# Altium PCB tc377_pcb_rev1.PcbDoc (part 1 of 2)
Units mm, origin at the board's own origin, x right, y up, seen from the top; angles counter-clockwise.
Board outline 133.94 x 51.18 mm, 2 copper layers (Top Layer, Bottom Layer); 100 components, 89 nets, 462 pads, 300 vias.
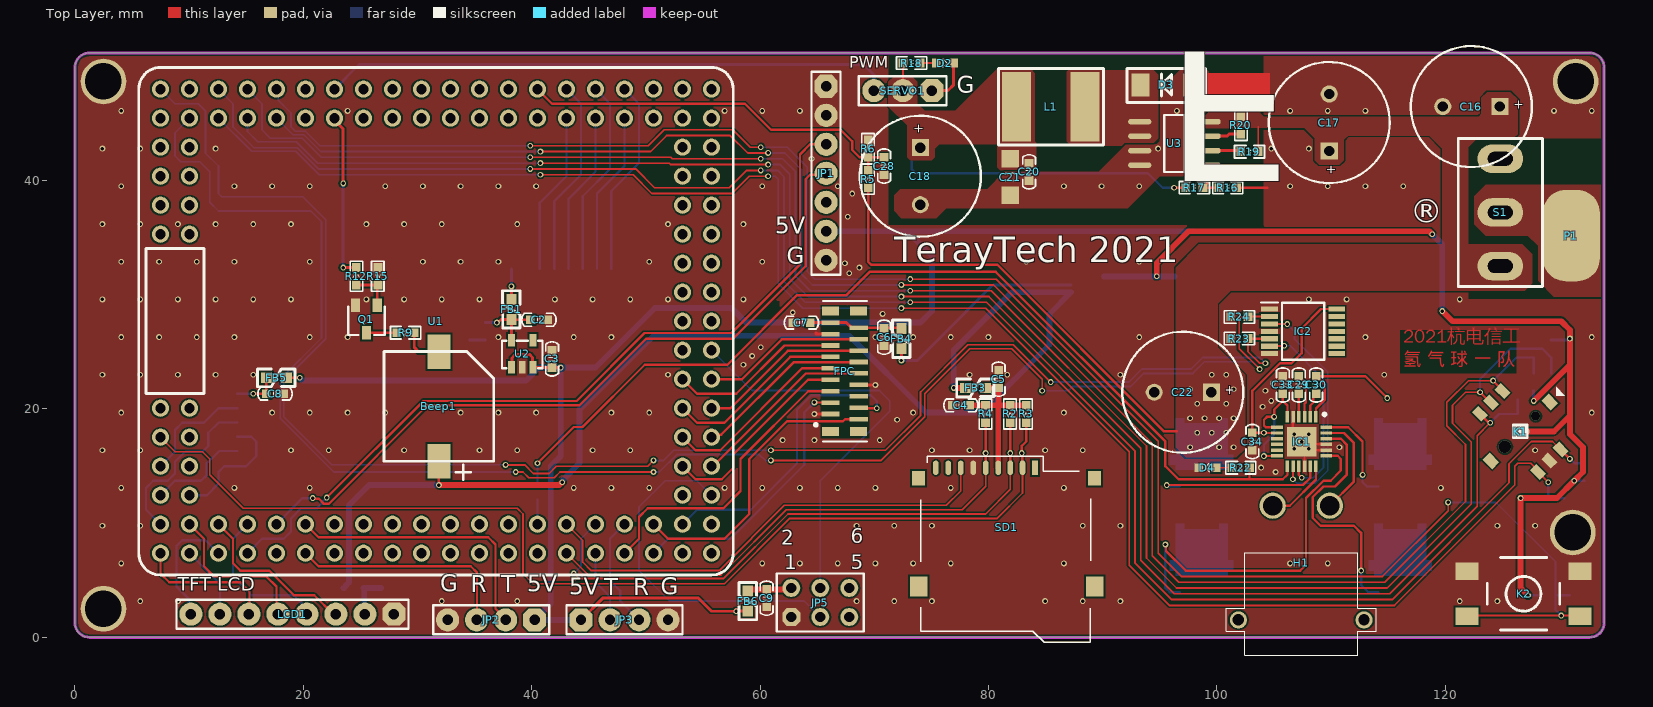
[diagram p0: Top Layer view]
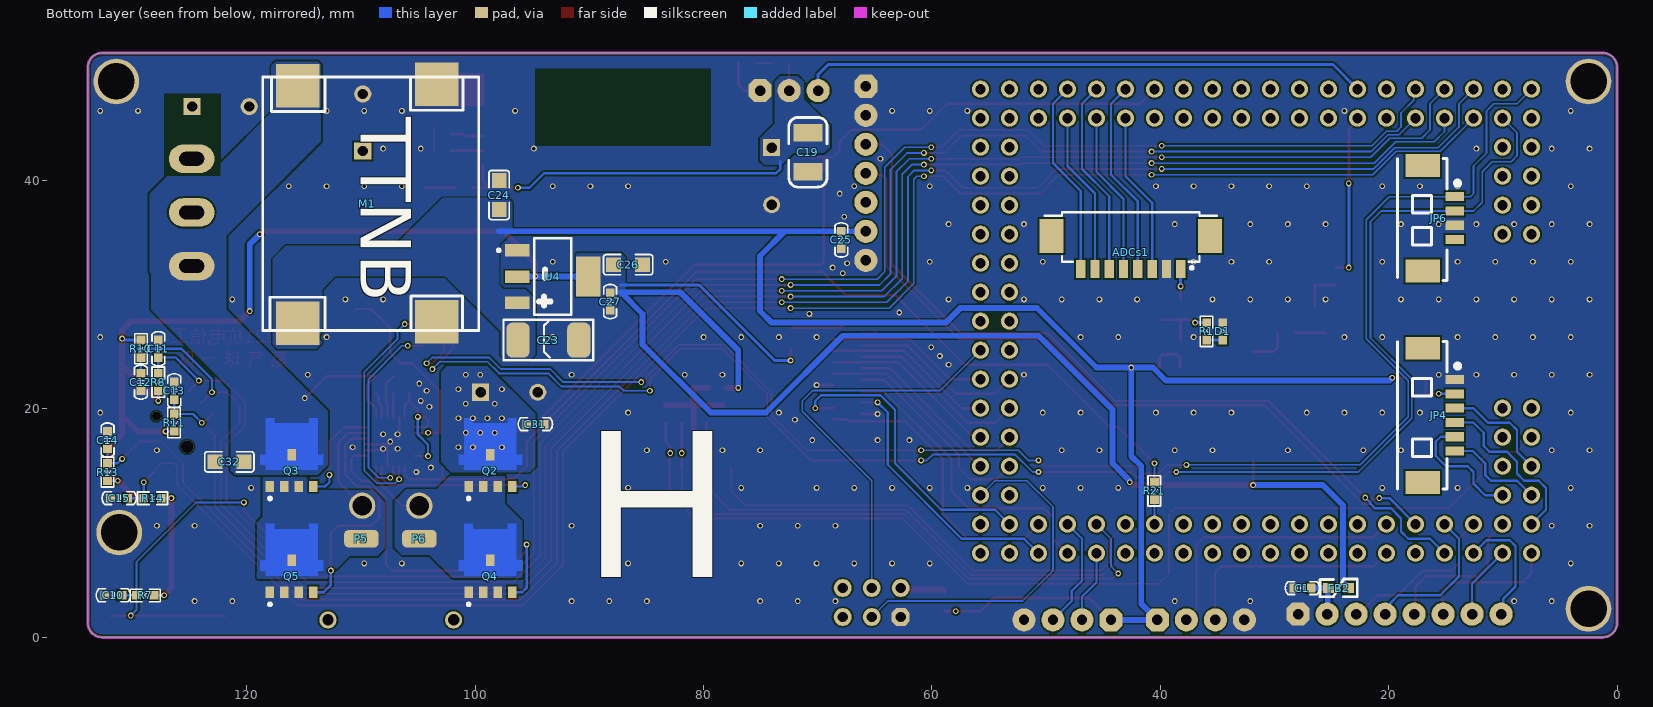
[diagram p1: Bottom Layer view, seen from below]
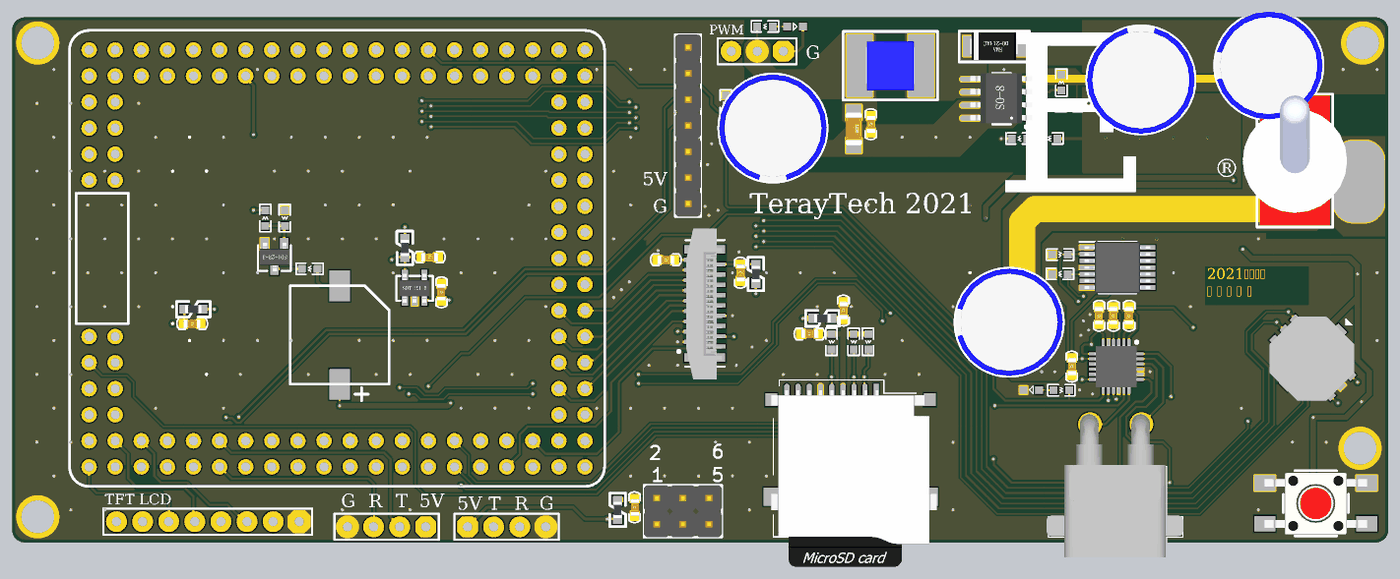
[diagram p3: 3D render of the assembled board from above, using the file's embedded part models]
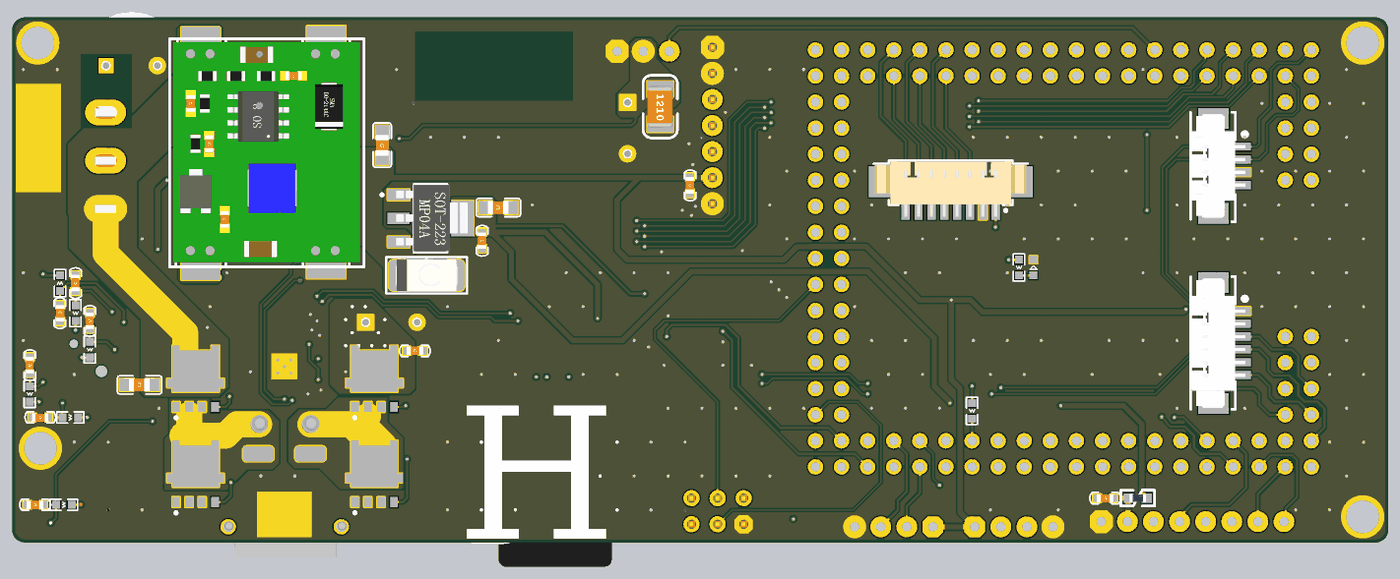
[diagram p4: 3D render of the assembled board from below, using the file's embedded part models]

## Layer stack, top to bottom
Top Solder: solder mask 0.0102, Solder Resist, Dk 3.5
Top Layer: signal copper 0.0356
Dielectric 1: dielectric 0.32, FR-4, Dk 4.8
Bottom Layer: signal copper 0.0356
Bottom Solder: solder mask 0.0102, Solder Resist, Dk 3.5

## Board outline
0,1.27 ccw(c1.27,1.27) 1.27,0 132.667,0 ccw(c132.667,1.27) 133.937,1.27 133.937,49.911 ccw(c132.667,49.911) 132.667,51.181 1.27,51.181 ccw(c1.27,49.911) 0,49.911 0,48.133 0,2.413

## Design rules (kind name [scope] priority, off if disabled: settings)
Clearance [All] p1: gap=0.152 ignorepadtopadclearanceinfootprint=FALSE except(0: Arc-Hole Track-Hole SMDPad-Hole THPad-Hole Via-Hole Fill-Hole Poly-Hole Region-Hole Text-Hole; 0.254: Arc-Text Track-Text SMDPad-Text THPad-Text Via-Text Fill-Text Poly-Text Region-Text Text-Text)
ComponentClearance [All] p1 off: gap=0.254 collisioncheckmode=3 verticalgap=0.254 showdistances=FALSE
Height [All] p1: minheight=0 maxheight=50.8 prefheight=12.7
PlaneConnect [All] p1: planeconnectstyle=Direct reliefexpansion=0.508 reliefentries=4 reliefconductorwidth=0.254 reliefairgap=0.254
PolygonConnect [All] p1: connectstyle=Direct reliefconductorwidth=0.254 reliefentries=4 polygonreliefangle="90 Angle" airgapwidth=0.254
RoutingVias [All] p1: holewidth=0.305 width=0.508 viastyle="Through Hole" minholewidth=0.254 minwidth=0.457 maxholewidth=0.711 maxwidth=1.27
SolderMaskExpansion [All] p1: expansion=0.102 istentingtop=FALSE
Width [All] p1: maxlimit=0.762 minlimit=0.152 preferedwidth=0.254 minimp=50.000000 maximp=50.000000 favimp=50.000000
27 further rules are at their usual default settings.

## Classes and differential pairs
component class DRIVER: C29 C30 C31 C32 C33 C34 D4 H1 IC1 IC2 P5 P6 Q2 Q3 Q4 Q5 R22 R23 R24
component class POWER: C16 C17 C18 C19 C20 C21 C22 C23 C24 C25 C26 C27 D2 D3 L1 M1 P1 R16 R17 R18 R19 R20 S1 SERVO1 U3 U4
component class LOGIC: ADCs1 Beep1 C1 C2 C3 C4 C5 C6 C7 C8 C9 C10 C11 C12 C13 C14 C15 C28 D1 FB1 FB2 FB3 FB4 FB5 FB6 FPC JP1 JP2 JP3 JP4 JP5 JP6 K1 K2 LCD1 Q1 R1 R2 R3 R4 R5 R6 R7 R8 R9 R10 R11 R12 R13 R14 R15 R21 SD1 U1 U2

## Components (designator, comment, footprint, x,y, rotation, side; value= is the part's Value field where it differs from the comment)
ADCs1 "HEADER-8PIN" HEADER_8P_1.25_RT 42.595,35.058 r0 bottom
Beep1 "Buzzer" BUZZER_9.6*9.6*5mm 31.877,20.219 r270 top
C1 "0.1uF" 0603_C 27.559,4.318 r0 bottom value=104
C2 "0.1uF" 0603_C 40.64,27.813 r180 top value=104
C3 "0.1uF" 0603_C 41.783,24.384 r90 top value=104
C4 "0.1uF" 0603_C 77.597,20.32 r0 top value=104
C5 "0.1uF" 0603_C 80.899,22.606 r270 top value=104
C6 "1uF" 0603_C 70.866,26.289 r270 top value=104
C7 "0.1uF" 0603_C 63.627,27.559 r180 top value=104
C8 "0.1uF" 0603_C 17.526,21.336 r180 top value=104
C9 "0.1uF" 0603_C 60.579,3.429 r270 top value=104
C10 "0.1uF" 0603_C 131.699,3.683 r0 bottom value=104
C11 "0.1uF" 0603_C 127.762,25.273 r90 bottom value=104
C12 "0.1uF" 0603_C 129.286,22.352 r270 bottom value=104
C13 "0.1uF" 0603_C 126.365,21.59 r90 bottom value=104
C14 "0.1uF" 0603_C 132.207,17.272 r90 bottom value=104
C15 "0.1uF" 0603_C 131.191,12.192 r0 bottom value=104
C16 "1000uF 电解" CAP_1000x2000 122.301,46.482 r180 top
C17 "1000uF" CAP_1000x2000 109.855,45.085 r90 top
C18 "1210, 220uF, 25V" CAP_1000x2000 74.041,40.386 r270 top locked value=104
C19 "1210, 220uF, 25V" C1210 71.018,42.621 r270 bottom value=104
C20 "0.1uF" 0603_C 83.566,40.767 r270 top value=104
C21 "1nF" C1206 81.915,41.91 r270 top value=104
C22 "1000uF" CAP_1000x2000 97.028,21.463 r180 top locked
C23 "1uF" CAPC6032C 91.948,26.035 r180 bottom value=104
C24 "1uF" 0805_c 97.917,39.878 r270 bottom value=104
C25 "0.1uF" 0603_C 67.945,34.798 r90 bottom value=104
C26 "1uF" 0805_c 85.471,32.639 r0 bottom value=104
C27 "0.1uF" 0603_C 88.189,29.407 r90 bottom value=104
C28 "0.1uF" 0603_C 70.866,41.275 r90 top value=104
C29 "100nF" 0603_C 107.188,22.098 r90 top value=104
C30 "1uF" 0603_C 108.712,22.098 r90 top value=104
C31 "0.1uF" 0603_C 94.742,18.669 r180 bottom value=104
C32 "10uF" 0805_c 120.396,15.367 r0 bottom value=104
C33 "1uF" 0603_C 105.791,22.098 r90 top value=104
C34 "1uF" 0603_C 103.124,17.145 r270 top value=104
D1 "LED" 0603_LED 34.544,26.772 r90 bottom
D2 "LED" 0603_LED 76.175,50.292 r0 top
D3 "SS" DO-214AC( 97.663,48.387 r180 top
D4 "LED" 0603_LED 99.212,14.859 r180 top
FB1 "120R 100MHZ" FB0603 38.227,28.715 r270 top
FB2 "120R 100MHZ" FB0603 24.397,4.318 r0 bottom
FB3 "FB" FB0603 78.867,21.844 r0 top
FB4 "FB" FB0603 72.39,26.162 r270 top
FB5 "FB" FB0603 17.64,22.733 r0 top
FB6 "FB" FB0603 58.928,3.175 r90 top
FPC "fpc-18" FPC_18_VER 67.437,22.86 r270 top
H1 "XT" XT30PW-M 107.403,11.524 r180 top locked
IC1 "DRV8701ERGET" QFN50P400X400X80-25N 107.442,17.145 r270 top
IC2 "CD74HC125QPWRQ1" SOP65P640X120-14N 107.569,26.797 r0 top
JP1 "header" header7 65.786,48.26 r270 top
JP2 "DEBUG" header4 40.259,1.524 r180 top
JP3 "IMAGE" header4 44.323,1.524 r0 top
JP4 "GYRO" "MX 1.25-WS-6P" 17.018,19.431 r270 bottom
JP5 "header" header2X3 62.738,1.778 r0 top
JP6 "MOTOR" "MX 1.25-WS-4P" 17.018,36.703 r270 bottom
K1 "TSW_5" TSW-10 126.583,18.018 r0 top locked
K2 "KEY" 贴片复位开关 126.873,3.81 r180 top locked
L1 "33uH" "L 5x5" 85.471,46.482 r270 top
LCD1 "TFT LCD 1.9" header8 27.94,2.032 r180 top
M1 "TTPM" TTPM_1 109.474,37.973 r270 bottom
P1 "PAD" PAD_BIG 131.064,35.179 r0 top
P5 "PAD" PAD 109.982,8.636 r180 bottom
P6 "PAD" PAD 104.902,8.636 r180 bottom
Q1 "NPN2" SOT-23-3 27.734,26.797 r180 top
Q2 "AON-MOS" so-8 98.679,16.003 r90 bottom
Q3 "AON-MOS" so-8 116.078,16.003 r90 bottom
Q4 "AON-MOS" so-8 98.679,6.731 r90 bottom
Q5 "AON-MOS" so-8 116.078,6.731 r90 bottom
R1 "330" 0603_R 35.941,26.797 r90 bottom value=1K
R2 "10K" 0603_R 81.915,19.558 r90 top value=1K
R3 "10K" 0603_R 83.312,19.558 r90 top value=1K
R4 "10K" 0603_R 79.756,19.558 r90 top value=1K
R5 "4K R0603" 0603_R 69.469,40.132 r90 top value=1K
R6 "1K R0603" 0603_R 69.469,42.799 r90 top value=1K
R7 "10K" 0603_R 128.905,3.683 r0 bottom value=1K
R8 "10K" 0603_R 127.762,22.352 r90 bottom value=1K
R9 "50R" 0603_R 28.956,26.67 r0 top value=1K
R10 "10K" 0603_R 129.286,25.273 r270 bottom value=1K
R11 "10K" 0603_R 126.365,18.796 r90 bottom value=1K
R12 "1K" 0603_R 24.638,31.623 r270 top
R13 "10K" 0603_R 132.207,14.478 r90 bottom value=1K
R14 "10K" 0603_R 128.27,12.192 r0 bottom value=1K
R15 "20K" 0603_R 26.543,31.623 r90 top value=1K
R16 "1K, 1%" 0603_R 100.965,39.37 r0 top value=1K
R17 "1K R0603" 0603_R 98.044,39.37 r0 top value=1K
R18 "1K R0603" 0603_R 73.279,50.292 r0 top value=1K
R19 "1K" 0603_R 102.87,42.545 r180 top
R20 "2.7K" 0603_R 102.108,44.831 r270 top value=1K
R21 "0 R0603" 0603_R 40.513,12.827 r90 bottom value=1K
R22 "1K R0603" 0603_R 102.108,14.859 r180 top value=1K
R23 "10K R0603" 0603_R 101.981,26.162 r0 top value=1K
R24 "10K R0603" 0603_R 101.981,28.067 r180 top value=1K
S1 "开关" 拨动开关 124.841,37.212 r90 top
SD1 "microSD" microSD_CARD 80.899,9.525 r0 top
SERVO1 "header" header3 75.057,47.879 r180 top
U1 "TC377_CoreBoard" TC377_CoreBoard 55.753,48.006 r270 top locked
U2 "RF LDO" SOT-23-5 39.153,24.908 r0 top
U3 "AS1015 SERVO PWR" SOIC-8 96.393,43.307 r90 top
U4 "LT1117" SOT-223 93.091,31.877 r270 bottom

## Footprints (in the part's own frame and the unit in brackets; to place one, negate y for a bottom-side part, rotate by r counter-clockwise, add the part's x,y. Pads: shape width x height; smd on the part's side, far side on the other; paste and mask are expansions set on the pad)
0603_C [mil] "Capacitor"
  rect 30x30 smd: 1(-30,0) 2(30,0)
  silkscreen extent -59,-22 59,22, body extent -51,-18 52,21, height 35
0603_LED [mil]
  rect 30x30 smd: 1(-29,0) 2(31,0)
  silkscreen extent -6,-15 9,14, body extent -31,-16 31,16, height 24
0603_R [mil]
  rect 30x30 smd: 1(-30,0) 2(30,0)
  silkscreen extent -52,-21 52,22, body extent -34,-19 34,19, height 39
0805_c [mil]
  rect 52x50 smd: 1(-5,0) 2(95,0)
  silkscreen extent -40,-35 130,35, body extent -13,-28 105,28, height 37
BUZZER_9.6*9.6*5mm [mm]
  rect 3x2 smd: 1(4.8,0) 2(-4.8,0)
  silkscreen extent -4.8,-4.8 6.41,4.8, body extent -4.97,-4.8 5.03,4.8, height 5
C1206 [mil] "3216/A型"
  rect 60x60 smd: 1(0,0) 2(126,0)
  silkscreen extent 50,-17 75,18, body extent 0,-31 126,32, height 39
C1210 [mil]
  rect 60x100 smd: 1(-62,6) 2(73,6)
  silkscreen extent -115,-60 126,72, body extent -73,-44 85,54, height 67
CAP_1000x2000 [mm] "Panasonic"
  rect 1.5x1.5 hole 0.9: 1(-2.5,0)
  round 1.5 hole 0.9: 2(2.5,0)
  silkscreen extent -5.3,-5.3 5.3,5.3, body extent -5.21,-5.24 5.24,5.24, height 22.01
CAPC6032C [mil]
  rrect50% 80x120 smd: 1(-170,0) 2(40,0)
  silkscreen extent -220,-70 90,70, body extent -183,-63 53,63, height 102
DO-214AC( [mil] "DO-214AC(2010)"
  rect 63x78.74 smd: 1(-8,0) 2(170.56,0)
  silkscreen extent -53,-57 217,61, body extent -8,-52 174,54, height 94
FB0603 [mil] "1/10W"
  rect 38x35 smd: 1(-34.5,0) 2(34.5,0)
  silkscreen extent -64,-31 64,30, body extent -31,-16 32,16, height 31
FPC_18_VER [mm] "FFC & FPC连接器 .5MM FFC/FPC CONN 18CKT 52559-1853 Molex"
  rect 0.8x1.5 smd: 0(-5.715,-1.27) 0(-5.715,1.2) 0(4.826,-1.27) 0(4.826,1.2)
  rect 0.4x1.6 smd: 1(3.75,1.2) 2(3.302,-1.27) 3(2.75,1.2) 4(2.302,-1.27) 5(1.75,1.2) 6(1.302,-1.27) 7(0.75,1.2) 8(0.302,-1.27) 9(-0.25,1.2) 10(-0.698,-1.27) 11(-1.25,1.2) 12(-1.698,-1.27) 13(-2.25,1.2) 14(-2.698,-1.27) 15(-3.25,1.2) 16(-3.698,-1.27) 17(-4.25,1.2) 18(-4.698,-1.27)
  silkscreen extent -6.6,-2.67 5.71,1.91, body extent -7.73,-1.85 6.97,1.65, height 5.3
header2X3 [mil]
  oct 62x62 hole 35: 1(0,0)
  round 62 hole 35: 2(0,100) 3(100,0) 4(100,100) 5(200,0) 6(200,100)
  silkscreen extent -50,-50 250,150, body extent -50,-50 250,150, height 398
header3 [mil]
  oct 80x80 hole 36: 1(0,0)
  round 80 hole 36: 2(100,0) 3(200,0)
  silkscreen extent -50,-50 252,50
header4 [mil]
  oct 80x80 hole 36: 1(0,0)
  round 80 hole 36: 2(100,0) 3(200,0) 4(300,0)
  silkscreen extent -50,-50 350,50
header7 [mil]
  oct 80x80 hole 36: 1(0,0)
  round 80 hole 36: 2(100,0) 3(200,0) 4(300,0) 5(400,0) 6(500,0) 7(600,0)
  silkscreen extent -50,-50 650,50, body extent -50,-50 650,50, height 398
header8 [mil]
  oct 80x80 hole 36 unplated: 1(0,0)
  round 80 hole 36 unplated: 2(100,0) 3(200,0) 4(300,0) 5(400,0) 6(500,0) 7(600,0) 8(700,0)
  silkscreen extent -50,-50 750,50
HEADER_8P_1.25_RT [mm]
  rect 0.81x1.6 smd: 1(-4.375,2.8) 2(-3.125,2.8) 3(-1.875,2.8) 4(-0.625,2.8) 5(0.625,2.8) 6(1.875,2.8) 7(3.125,2.8) 8(4.375,2.8)
  rect 2.1x3 smd: MP1(-6.925,-0.1) MP2(6.925,-0.1)
  silkscreen extent -7.52,-2.17 7.52,2.82, body extent -7.38,-2.1 7.37,3.3, height 3.4
"L 5x5" [mm]
  rect 6.096x2.54 smd: 1(0,3) 2(0,-3)
  silkscreen extent -3.33,-4.6 3.35,4.6, body extent -2.39,-2.4 2.41,2.4, height 2.8
microSD_CARD [mil]
  rect 45.42x50 smd: 0(-276,173)
  rect 60x70 smd: 0(-275.5,-199.5)
  rect 45x50 smd: 0(331,173)
  rect 60.42x70 smd: 0(331.5,-199.5)
  rect 19.68x49.42 smd: 1(125.5,209.5)
  oval 19.68x49.42 smd: 2(82.5,209.5) 3(40.5,209.5) 4(-1.5,209.5) 5(-44.5,209.5) 6(-87.5,209.5) 7(-130.5,209.5) 8(-173.5,209.5) 9(-216.5,209.5)
  silkscreen extent -269,-392 318,248, body extent -276,-468 357,209, height 117
"MX 1.25-WS-4P" [mm] "长：10.15mm，宽：4.2mm，高：3.4mm"
  rect 2x3 smd: 0(-4.632,0) 0(4.632,0)
  rect 0.8x1.6 smd: 1(-1.889,2.811) 2(-0.639,2.811) 3(0.611,2.811) 4(1.861,2.811)
  silkscreen extent -5.23,-2.23 5.45,3.25, body extent -5.07,-2.1 5.08,3.09, height 3.4
"MX 1.25-WS-6P" [mm] "长：12.65mm，宽：4.2mm，高：3.4mm"
  rect 2x3 smd: 0(-5.882,0) 0(5.882,0)
  rect 0.8x1.6 smd: 1(-3.139,2.811) 2(-1.889,2.811) 3(-0.639,2.811) 4(0.611,2.811) 5(1.861,2.811) 6(3.111,2.811)
  silkscreen extent -6.48,-2.23 6.45,3.25, body extent -6.32,-2.1 6.33,3.09, height 3.4
PAD [mm]
  rrect50% 3x1.524 smd: 1(0,0)
PAD_BIG [mm]
  rrect80% 5x8 smd: 1(0,0)
QFN50P400X400X80-25N [mil]
  rect 40x11.81 smd: 1(-85,49.21) 2(-85,29.53) 3(-85,9.84) 4(-85,-9.84) 5(-85,-29.53) 6(-85,-49.21) 13(85,-49.21) 14(85,-29.53) 15(85,-9.84) 16(85,9.84) 17(85,29.53) 18(85,49.21)
  rect 11.81x40 smd: 7(-49.21,-85) 8(-29.53,-85) 9(-9.84,-85) 10(9.84,-85) 11(29.53,-85) 12(49.21,-85) 19(49.21,85) 20(29.53,85) 21(9.84,85) 22(-9.84,85) 23(-29.53,85) 24(-49.21,85)
  rect 102x102 smd: 25(0,0)
  silkscreen extent -98,74 -89,84, body extent -81,-81 81,81, height 31
so-8 [mm] "MOS"
  rect 1x0.75 smd: 1(-2.795,1.905) 2(-2.795,0.635) 3(-2.795,-0.635) 4(-2.795,-1.905)
  rect 1x0.75 smd paste+0 mask+0: 5(0,0)
  Top Layer region: -0.905,-2.775 -0.905,-2.28 -1.33,-2.28 -1.33,2.28 -0.905,2.28 -0.905,2.775 0,2.775 0,2.28 3.2,2.28 3.2,1.53 2.725,1.53 2.725,-1.53 3.2,-1.53 3.2,-2.28 0,-2.28 0,-2.775
  silkscreen extent -3.97,1.78 -3.72,2.03, body extent -2.95,-2.45 2.95,2.45, height 1.1
SOIC-8 [mil]
  oval 20x80 smd: 1(-77.09,-115.71) 2(-27.09,-115.71) 3(22.91,-115.71) 4(72.91,-115.71) 5(72.91,123.27) 6(22.91,123.27) 7(-27.09,123.27) 8(-77.09,123.27)
  silkscreen extent -115,-96 96,39, body extent -96,-113 96,123, height 67
SOP65P640X120-14N [mm]
  rect 1.475x0.45 smd: 1(-2.938,1.95) 2(-2.938,1.3) 3(-2.938,0.65) 4(-2.938,0) 5(-2.938,-0.65) 6(-2.938,-1.3) 7(-2.938,-1.95) 8(2.938,-1.95) 9(2.938,-1.3) 10(2.938,-0.65) 11(2.938,0) 12(2.938,0.65) 13(2.938,1.3) 14(2.938,1.95)
  silkscreen extent -3.67,-2.5 1.85,2.52, body extent -3.2,-2.5 3.2,2.5, height 1.2
SOT-23-3 [mm]
  rect 0.8x1.2 smd: 1(1.257,-2.273) 2(3.157,-2.273) 3(2.207,0.127)
  silkscreen extent 0.61,-2.17 3.81,0.33, body extent 0.71,-2.42 3.61,0.38
SOT-23-5 [mm]
  rect 0.6x1.1 smd: 1(-0.926,-1.273) 2(0.024,-1.273) 3(0.974,-1.273) 4(0.974,1.127) 5(-0.926,1.127)
  silkscreen extent -1.75,-1.34 1.8,1.07, body extent -1.45,-1.53 1.45,1.27, height 1.2
SOT-223 [mm] "ASM1117系列"
  rect 1.1x2.15 smd: 1(-2.012,-3.227) 2(0.288,-3.227) 3(2.588,-3.227)
  rect 3.5x2.15 smd: 2(0.288,2.973)
  silkscreen extent -3.06,-4.98 3.64,1.5, body extent -3,-3.48 3.5,3.48, height 1.7
TC377_CoreBoard [mm] "逐飞科技TC377核心板"
  round 1.5 hole 0.9: 1(0,0) 2(2.54,0) 3(0,-2.54) 4(2.54,-2.54) 5(0,-5.08) 6(2.54,-5.08) 7(0,-7.62) 8(2.54,-7.62) 9(0,-10.16) 10(2.54,-10.16) 11(0,-12.7) 12(2.54,-12.7) 13(0,-15.24) 14(2.54,-15.24) 15(0,-17.78) 16(2.54,-17.78) 17(0,-20.32) 18(2.54,-20.32) 19(0,-22.86) 20(2.54,-22.86) 21(0,-25.4) 22(2.54,-25.4) 23(0,-27.94) 24(2.54,-27.94) 25(0,-30.48) 26(2.54,-30.48) 27(0,-33.02) 28(2.54,-33.02) 29(0,-35.56) 30(2.54,-35.56) 31(0,-38.1) 32(2.54,-38.1) 33(0,-40.64) 34(2.54,-40.64) 35(0,-43.18) 36(2.54,-43.18) 37(0,-45.72) 38(2.54,-45.72) 39(0,-48.26) 40(2.54,-48.26) 41(5.08,-48.26) 42(5.08,-45.72) 43(7.62,-48.26) 44(7.62,-45.72) 45(10.16,-48.26) 46(10.16,-45.72) 47(12.7,-48.26) 48(12.7,-45.72) 49(27.94,-45.72) 50(27.94,-48.26) 51(30.48,-45.72) 52(30.48,-48.26) 53(33.02,-45.72) 54(33.02,-48.26) 55(35.56,-45.72) 56(35.56,-48.26) 57(38.1,-48.26) 58(40.64,-48.26) 59(38.1,-45.72) 60(40.64,-45.72) 61(38.1,-43.18) 62(40.64,-43.18) 63(38.1,-40.64) 64(40.64,-40.64) 65(38.1,-38.1) 66(40.64,-38.1) 67(38.1,-35.56) 68(40.64,-35.56) 69(38.1,-33.02) 70(40.64,-33.02) 71(38.1,-30.48) 72(40.64,-30.48) 73(38.1,-27.94) 74(40.64,-27.94) 75(38.1,-25.4) 76(40.64,-25.4) 77(38.1,-22.86) 78(40.64,-22.86) 79(38.1,-20.32) 80(40.64,-20.32) 81(38.1,-17.78) 82(40.64,-17.78) 83(38.1,-15.24) 84(40.64,-15.24) 85(38.1,-12.7) 86(40.64,-12.7) 87(38.1,-10.16) 88(40.64,-10.16) 89(38.1,-7.62) 90(40.64,-7.62) 91(38.1,-5.08) 92(40.64,-5.08) 93(38.1,-2.54) 94(40.64,-2.54) 95(38.1,0) 96(40.64,0) 97(35.56,-2.54) 98(35.56,0) 99(33.02,-2.54) 100(33.02,0) 101(30.48,-2.54) 102(30.48,0) 103(27.94,-2.54) 104(27.94,0) 105(25.4,-2.54) 106(25.4,0) 107(22.86,-2.54) 108(22.86,0) 109(20.32,-2.54) 110(20.32,0) 111(17.78,-2.54) 112(17.78,0) 113(15.24,-2.54) 114(15.24,0) 115(12.7,-2.54) 116(12.7,0) 117(10.16,-2.54) 118(10.16,0) 119(7.62,-2.54) 120(7.62,0) 121(5.08,-2.54) 122(5.08,0)
  silkscreen extent -1.91,-50.16 42.55,1.91
TSW-10 [mm]
  rect 1.2x0.9 smd rot 135: 0(-2.575,-2.575) 0(2.587,2.587)
  rect 1.2x0.8 smd rot 135: 1(-1.56,3.54) 2(-2.55,2.55) 3(-3.54,1.56) 4(1.56,-3.54) 5(2.55,-2.55) 6(3.54,-1.56)
  silkscreen extent -0.64,-0.57 3.92,3.92, body extent -5.6,-5.61 5.43,5.42, height 4.5
TTPM_1 [mil]
  rect 150x150 smd: 1(-412.5,240) 2(-407.5,-240) 3(412.5,-240) 4(407.5,240)
  silkscreen extent -438,-360 438,385, body extent -425,-345 420,370, height 126
XT30PW-M [mm] "15a"
  round 1.5 hole 1: 0(-5.5,10) 0(5.5,10)
  round 2.3 hole 1.7: 1(-2.5,0) 2(2.5,0)
  silkscreen extent -6.55,4.1 6.55,13.1, body extent -6.57,-1 6.73,12.95, height 5.05
拨动开关 [mm]
  oval 2.5x4 hole 1.2 slot 2.2 at 90 deg: 1(-4.7,0) 2(0,0) 3(4.7,0)
  silkscreen extent -6.48,-3.68 6.48,3.68, body extent -6.35,-5.08 6.36,5.08, height 28.95
贴片复位开关 [mil]
  rect 80x60 smd: 1(-195,78) 1(195,78) 2(-195,-78) 2(195,-78)
  silkscreen extent -125,-125 125,125, body extent -197,-118 197,118, height 175

## Part data
C1 C2 C3 C4 C5 C6 C7 C8 C9 C10 C11 C12 C13 C14 C15 C18 C19 C20 C21 C24 C25 C26 C27 C28 C29 C30 C31 C32 C33 C34: library part CAP, "Capacitor", LatestRevisionDate=17-Jul-2002, LatestRevisionNote="Re-released for DXP Platform.", PackageReference=RAD-0.3, Published=8-Jun-2000, Publisher="Altium Limited"
C16 C17 C22: library part CAP1
C23: library part CAP_tan, "Capacitor", LatestRevisionDate=17-Jul-2002, LatestRevisionNote="Re-released for DXP Platform.", PackageReference=RAD-0.3, Published=8-Jun-2000, Publisher="Altium Limited"
D1 D2 D4: "LED 发光二极管"
D3: library part SS24
FB1 FB2: library part FB, "120OHM@100MHZ 2A 25% 0603"
FB3 FB4 FB5 FB6: "磁珠"
H1: library part XT_Connector_4pin
IC1: "Integrated Circuit", Manufacturer_Name="Texas Instruments", Mouser Part Number=595-DRV8701ERGET, Datasheet Link=http://www.ti.com/lit/gpn/drv8701, Height=1mm, Manufacturer_Part_Number=DRV8701ERGET, Mouser Price/Stock=https://www.mouser.com/Search/Refine.aspx?Keyword=595-DRV8701ERGET
IC2: "Integrated Circuit", Manufacturer_Name="Texas Instruments", Mouser Part Number=595-CD74HC125QPWRQ1, Datasheet Link=http://www.ti.com/lit/ds/symlink/cd74hc125-q1.pdf, Height=1.2mm, Manufacturer_Part_Number=CD74HC125QPWRQ1, Mouser Price/Stock=https://www.mouser.com/Search/Refine.aspx?Keyword=595-CD74HC125QPWRQ1
JP1: library part "HEADER 7"
JP2 JP3 JP6: library part "HEADER 4"
JP4: library part "HEADER 6"
JP5: library part "HEADER 3X2"
K1: "方向开关"
K2: library part KEY_2, "Switch", LatestRevisionDate=17-Jul-2002, LatestRevisionNote="Re-released for DXP Platform.", PackageReference=SPST-2, Published=24-Mar-1999, Publisher="Altium Limited"
L1: library part Inductor
M1: library part TT_PWR_MOD
Q1: "贴片"
Q2 Q3 Q4 Q5: library part N-MOS-so
R1 R7 R8 R10 R11 R13 R14 R16 R19 R20: library part RES0, "Resistor", Published=8-Jun-2000, Publisher="Altium Limited", Revision="July-2002: Re-released for DXP Platform."
R2 R3 R4 R5 R6 R9 R12 R15 R17 R18 R21 R22 R23 R24: library part RES, "Resistor", Published=8-Jun-2000, Publisher="Altium Limited", Revision="July-2002: Re-released for DXP Platform."
S1: library part "switch 3"
SD1: library part microSD_1
SERVO1: library part "HEADER 3"
U1: "逐飞科技TC377核心板"
U2: library part ADP150
U3: library part AS1015
U4: library part AMS1117, "3.3V电压转换器AMS1117"

## Free pads (board coordinates)
  round 4 hole 3.2: 0(2.5,2.5) 0(2.5,48.681) 0(131.183,9.184) 0(131.437,48.681)

## Via types
v1: diameter 0.508, hole 0.305, Top Layer to Bottom Layer, tented both sides, 298 vias
v2: diameter 1.1, hole 1.1, Top Layer to Bottom Layer, tented both sides, 1 vias
v3: diameter 0.8, hole 0.8, Top Layer to Bottom Layer, tented both sides, 1 vias

## Nets (pads, with @x,y where several pads share a name; then routed paths per layer and width w, separated by ;. In a path a pad name is that pad's centre, name@x,y a point inside that pad or via, vN(x,y) a via of type N, cw(c..) or ccw(c..) an arc to the next point about the centre after c; other vN are vias at no path point)
ADC1: ADCs1.3 U1.12 | length 14.2
  Bottom Layer w0.203: ADCs1.3@40.72,32.258 40.72,38.053 43.053,40.386 U1.12@43.053,45.466
ADC2: ADCs1.4 U1.11 | length 17.2
  Bottom Layer w0.203: ADCs1.4@41.97,32.258 41.97,38.16 44.323,40.513 44.323,46.736 U1.11@43.053,48.006
ADC3: ADCs1.5 U1.10 | length 14.2
  Bottom Layer w0.203: ADCs1.5@43.22,32.258 43.22,38.394 45.593,40.767 U1.10@45.593,45.466
ADC4: ADCs1.6 U1.9 | length 17.3
  Bottom Layer w0.203: ADCs1.6@44.47,32.258 44.47,38.628 46.863,41.021 46.863,46.736 U1.9@45.593,48.006
ADC5: ADCs1.7 U1.8 | length 14.2
  Bottom Layer w0.203: ADCs1.7@45.72,32.258 45.72,38.862 48.133,41.275 U1.8@48.133,45.466
ADC6: ADCs1.8 U1.7 | length 17.3
  Bottom Layer w0.203: ADCs1.8@46.97,32.258 46.97,39.096 49.403,41.529 49.403,46.736 U1.7@48.133,48.006
BEEP: R12.1 U1.28 | length 14.5
  Top Layer w0.254: U1.28@22.733,45.466 22.733,45.293 23.495,44.531 v1(23.495,39.751) ; v1(23.495,32.385) R12.1@24.638,32.385
  Bottom Layer w0.254: v1(23.495,32.385) v1(23.495,39.751)
DIR: IC2.5 JP6.1 R23.2 U1.39 | length 142.9
  Top Layer w0.152: v1(37.719,15.097) 39.386,15.097 40.132,14.351 41.529,14.351 42.164,14.986 50.165,14.986 v1(50.673,15.494) ; v1(60.96,16.383) 70.993,16.383 74.063,19.453 74.063,21.485 78.21,25.632 82.191,25.632 v1(85.471,22.352) ; R23.2@102.743,26.162 102.743,25.019 103.759,24.003 v1(104.267,24.003)
  Top Layer w0.203: R23.2@102.743,26.162 102.758,26.147 IC2.5@104.631,26.147
  Bottom Layer w0.152: U1.39@7.493,48.006 8.763,46.736 10.795,46.736 11.43,46.101 11.43,42.418 12.573,41.275 12.573,38.862 12.843,38.592 JP6.1@14.207,38.592 19.955,38.592 21.971,36.576 21.971,26.162 18.288,22.479 18.288,19.304 22.479,15.113 37.703,15.113 v1(37.719,15.097) ; v1(50.673,15.494) 51.562,15.494 52.451,16.383 v1(60.96,16.383) ; v1(85.471,22.352) 92.298,22.352 93.441,23.495 97.759,23.495 98.775,24.511 103.759,24.511 v1(104.267,24.003)
DRV_DIR: IC1.15 IC2.6 | length 17.1
  Top Layer w0.152: IC2.6@104.631,25.497 104.646,25.512 105.903,25.512 v1(105.918,25.527)
  Top Layer w0.203: IC1.15@107.192,14.986 107.192,14.22 v1(107.442,13.97)
  Bottom Layer w0.152: v1(105.918,25.527) 106.426,25.527 109.347,22.606 109.347,14.859 108.458,13.97 v1(107.442,13.97)
DRV_PWM: IC1.14 IC2.3 | length 20.7
  Top Layer w0.152: IC2.3@104.631,27.447 104.639,27.44 106.164,27.44 v1(106.172,27.432)
  Top Layer w0.203: v1(106.68,13.843) 106.686,13.849 106.686,14.98 IC1.14@106.692,14.986
  Bottom Layer w0.152: v1(106.172,27.432) 106.807,26.797 106.807,26.162 109.728,23.241 109.728,14.605 108.61,13.487 107.036,13.487 v1(106.68,13.843)
ENC_DIR: JP5.4 U1.108 | length 36.4
  Bottom Layer w0.152: U1.108@55.753,25.146 59.284,21.615 70.46,21.615 71.374,20.701 71.374,19.812 65.278,13.716 JP5.4@65.278,4.318
ENC_PULSE: JP5.3 U1.98 | length 31
  Bottom Layer w0.152: U1.98@55.753,12.446 54.483,13.716 51.689,13.716 49.403,11.43 49.403,5.842 52.07,3.175 63.881,3.175 JP5.3@65.278,1.778
GND: ADCs1.2 C1.2 C2.1 C3.2 C4.1 C5.1 C6.2 C7.2 C8.1 C9.2 C10.2 C11.2 C12.2 C13.2 C14.2 C15.2 C16.2 C17.2 C18.2 C19.2 C20.2 C21.2 C22.2 C23.2 C24.1 C25.1 C26.1 C27.1 C28.1 C31.2 C32.2 C33.2 C34.2 D1.2 D2.2 D3.1 D4.2 FPC.2 FPC.7 FPC.16 IC1.5 IC1.16 IC1.20 IC1.21 IC1.25 IC2.1 IC2.4 IC2.7 JP1.1 JP1.2 JP1.7 JP2.4 JP3.4 JP4.1 JP5.1 JP6.3 K1.5 K2.2 LCD1.1 M1.1 M1.4 pad.0 Q1.2 Q4.1 Q4.2 Q4.3 Q5.1 Q5.2 Q5.3 R6.2 R15.2 R16.2 R23.1 R24.2 SD1.6 SERVO1.1 U2.2 U3.7 U3.8 U4.1 | length 18.9
  Top Layer w0.203: IC1.25@106.668,17.36 IC1.5@106.668,19.269 ; v1(107.442,17.145) 107.692,16.895 IC1.21@109.601,16.895 ; IC1.25@107.657,16.395 IC1.20@109.566,16.395 ; IC1.16@107.684,14.947 IC1.25@107.684,16.856
  Top Layer w0.254: v1(64.77,19.558) FPC.2@66.167,19.558 ; 64.897,26.67 64.897,26.558 FPC.16@66.167,26.558 ; FPC.7@68.637,22.11 70.104,22.11 v1(70.104,22.098) ; SERVO1.1@75.057,47.879 76.454,47.879 76.962,48.387 D2.2@76.962,50.292 ; R16.2@101.727,39.37 104.394,39.37
  other v1: 5.715,3.175 9.017,3.175 32.131,3.175 38.735,3.175 68.453,3.175 71.755,3.175 75.057,3.175 84.963,3.175 88.265,3.175 91.567,3.175 121.285,3.175 124.587,3.175 4.064,6.477 60.198,6.477 63.5,6.477 66.802,6.477 70.104,6.477 73.406,6.477 76.708,6.477 86.614,6.477 106.426,6.477 109.728,6.477 2.413,9.779 5.715,9.779 68.453,9.779 71.755,9.779 75.057,9.779 88.265,9.779 91.567,9.779 124.587,9.779 127.889,9.779 4.064,13.081 13.97,13.081 20.574,13.081 43.688,13.081 46.99,13.081 50.292,13.081 56.896,13.081 60.198,13.081 63.5,13.081 66.802,13.081 70.104,13.081 76.708,13.081 86.614,13.081 119.634,13.081 105.156,14.478 103.886,14.859 2.413,16.383 5.715,16.383 18.923,16.383 22.225,16.383 28.829,16.383 35.433,16.383 38.735,16.383 45.339,16.383 48.641,16.383 75.057,16.383 78.359,16.383 84.963,16.383 88.265,16.383 127.889,16.383 106.807,16.51 108.077,16.51 110.744,16.637 61.976,17.272 64.77,17.272 70.485,17.272 106.807,17.78 108.077,17.78 72.009,19.05 4.064,19.685 17.272,19.685 20.574,19.685 23.876,19.685 27.178,19.685 33.782,19.685 37.084,19.685 40.386,19.685 46.99,19.685 50.292,19.685 73.406,19.685 86.614,19.685 132.842,19.685 104.013,20.193 104.775,20.701 104.267,21.59 104.902,22.225 2.413,22.987 5.715,22.987 9.017,22.987 12.319,22.987 15.621,22.987 51.943,22.987 78.359,22.987 81.661,22.987 91.567,22.987 114.681,22.987 58.547,23.876 59.309,24.638 60.071,25.4 4.064,26.289 7.366,26.289 10.668,26.289 13.97,26.289 20.574,26.289 23.876,26.289 37.084,26.289 43.688,26.289 46.99,26.289 70.104,26.289 73.406,26.289 76.708,26.289 80.01,26.289 93.218,26.289 113.03,26.289 132.842,26.289 70.739,28.321 62.865,28.448 2.413,29.591 5.715,29.591 9.017,29.591 12.319,29.591 15.621,29.591 18.923,29.591 25.527,29.591 28.829,29.591 32.131,29.591 35.433,29.591 42.037,29.591 45.339,29.591 48.641,29.591 51.943,29.591 58.547,29.591 108.077,29.591 111.379,29.591 121.285,29.591 67.818,31.877 68.707,32.385 67.437,32.766 4.064,32.893 7.366,32.893 10.668,32.893 13.97,32.893 20.574,32.893 30.48,32.893 33.782,32.893 37.084,32.893 50.292,32.893 60.198,32.893 83.312,32.893 93.218,32.893 2.413,36.195 5.715,36.195 9.017,36.195 12.319,36.195 15.621,36.195 18.923,36.195 25.527,36.195 28.829,36.195 32.131,36.195 38.735,36.195 51.943,36.195 58.547,36.195 67.691,36.83 68.072,38.862 4.064,39.497 13.97,39.497 17.272,39.497 20.574,39.497 27.178,39.497 30.48,39.497 33.782,39.497 37.084,39.497 40.386,39.497 60.198,39.497 66.802,39.497 86.614,39.497 89.916,39.497 93.218,39.497 106.426,39.497 109.728,39.497 113.03,39.497 116.332,39.497 64.516,41.91 2.413,42.799 5.715,42.799 12.319,42.799 94.869,42.799 104.775,42.799 108.077,42.799 4.064,46.101 23.876,46.101 56.896,46.101 60.198,46.101 63.5,46.101 96.52,46.101 106.426,46.101 109.728,46.101 113.03,46.101 129.54,46.101 132.842,46.101
ICM_CS: JP4.6 U1.56 | length 8.9
  Bottom Layer w0.203: U1.56@7.493,12.446 8.763,13.716 11.049,13.716 11.557,14.224 11.557,15.24 12.637,16.32 JP4.6@14.207,16.32
ICM_MISO: JP4.5 U1.55 | length 11
  Bottom Layer w0.203: U1.55@10.033,12.446 11.557,12.446 12.573,13.462 12.573,14.478 13.081,14.986 14.986,14.986 15.875,15.875 15.875,17.145 15.45,17.57 JP4.5@14.207,17.57
ICM_MOSI: JP4.4 U1.57 | length 15.7
  Bottom Layer w0.203: U1.57@7.153,9.906 U1.57@7.493,9.906 6.223,11.176 6.223,13.081 6.858,13.716 8.128,13.716 8.763,14.351 8.763,15.367 9.652,16.256 11.176,16.256 11.684,16.764 11.684,17.907 12.597,18.82 JP4.4@14.207,18.82
ICM_SCLK: JP4.3 U1.54 | length 9.9
  Bottom Layer w0.203: U1.54@7.493,14.986 8.763,16.256 8.763,18.161 9.398,18.796 11.303,18.796 12.577,20.07 JP4.3@14.207,20.07
KEY1: C10.1 K2.1 R7.2 U1.31 | length 164.6
  Top Layer w0.152: v1(39.878,43.053) 50.209,43.053 51.606,44.45 57.614,44.45 59.138,42.926 v1(60.071,42.926) ; v1(73.152,31.369) 80.681,31.369 94.869,17.181 94.869,7.366 96.901,5.334 114.518,5.334 120.269,11.085 v1(120.269,11.811) ; K2.1@121.92,1.829 121.996,1.905 v1(130.175,1.905)
  Top Layer w0.203: v1(130.175,1.905) 131.75,1.905 K2.1@131.826,1.829
  Bottom Layer w0.152: U1.31@17.653,48.006 17.814,47.845 17.814,47.027 18.923,45.919 18.923,44.704 19.304,44.323 20.189,44.323 20.254,44.258 21.459,43.053 v1(39.878,43.053) ; v1(60.071,42.926) 62.393,42.926 64.135,41.184 64.135,32.04 64.806,31.369 v1(73.152,31.369) ; v1(120.269,11.811) 124.46,11.811 129.667,6.604 R7.2@129.667,3.683
  Bottom Layer w0.203: v1(130.175,1.905) 129.667,2.413 R7.2@129.667,3.683 C10.1@130.937,3.683
KEY2: C11.1 K1.1 R8.2 U1.32 | length 157.4
  Top Layer w0.152: v1(40.767,42.545) 50.419,42.545 51.816,43.942 57.404,43.942 58.928,42.418 v1(60.706,42.418) ; v1(72.39,30.861) 80.471,30.861 94.361,16.971 94.361,7.156 96.691,4.826 114.728,4.826 121.793,11.891 121.793,16.891 120.142,18.542 120.142,20.574 122.047,22.479 v1(124.206,22.479)
  Top Layer w0.203: v1(124.206,22.479) 125.022,21.663 K1.1@125.022,21.559
  Bottom Layer w0.152: U1.32@17.653,45.466 19.101,44.018 20.063,44.018 21.536,42.545 v1(40.767,42.545) ; v1(60.706,42.418) 62.183,42.418 63.627,40.974 63.627,31.83 64.596,30.861 v1(72.39,30.861)
  Bottom Layer w0.203: v1(124.206,22.479) 126.238,24.511 126.365,24.511 126.619,24.511 C11.1@127.762,24.511 R8.2@127.762,23.114
KEY3: C12.1 K1.2 R10.2 U1.33 | length 164.5
  Top Layer w0.152: v1(39.878,42.037) 52.197,42.037 52.324,41.91 v1(60.071,41.91) ; v1(73.152,30.353) 80.26,30.353 93.853,16.76 93.853,6.945 96.48,4.318 114.939,4.318 122.301,11.68 122.301,17.101 120.65,18.752 120.65,20.32 121.793,21.463 v1(123.063,21.463)
  Top Layer w0.203: v1(123.063,21.463) 123.957,20.569 K1.2@124.032,20.569
  Bottom Layer w0.152: U1.33@15.113,48.006 16.383,46.736 16.383,44.45 17.12,43.713 19.907,43.713 21.583,42.037 v1(39.878,42.037) ; v1(60.071,41.91) 61.972,41.91 63.119,40.763 63.119,31.619 64.385,30.353 v1(73.152,30.353)
  Bottom Layer w0.203: v1(123.063,21.463) 123.063,22.606 125.73,25.273 128.524,25.273 R10.2@129.286,24.511 C12.1@129.286,23.114